# KiCad board pcb.kicad_pcb
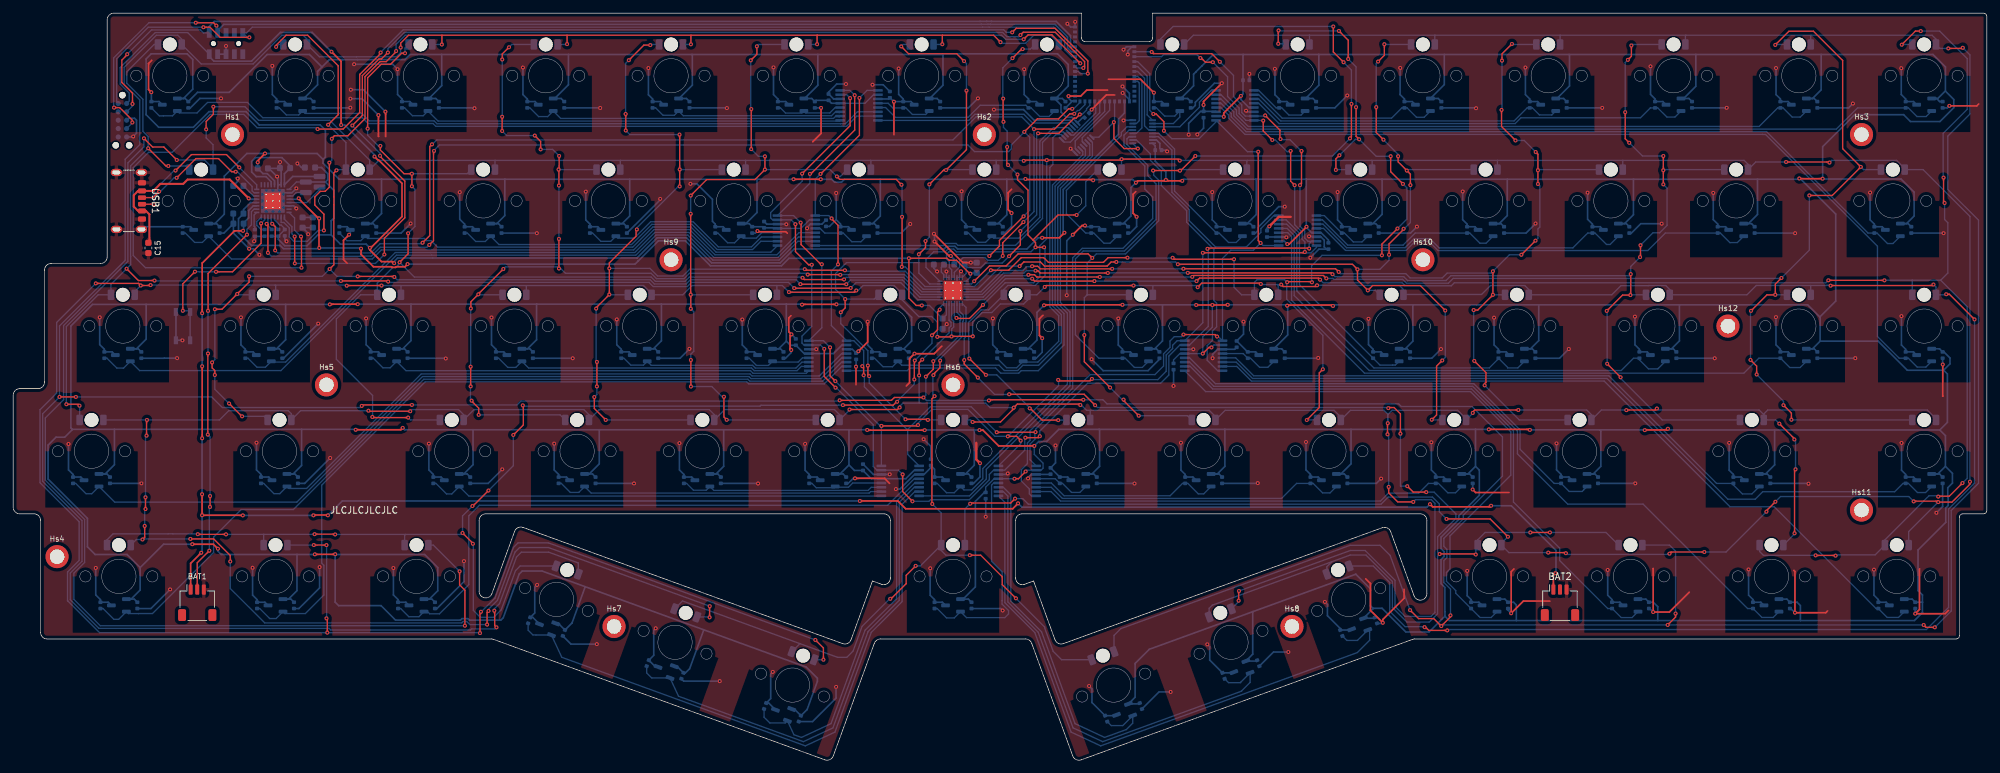
[diagram p0: board, top side]
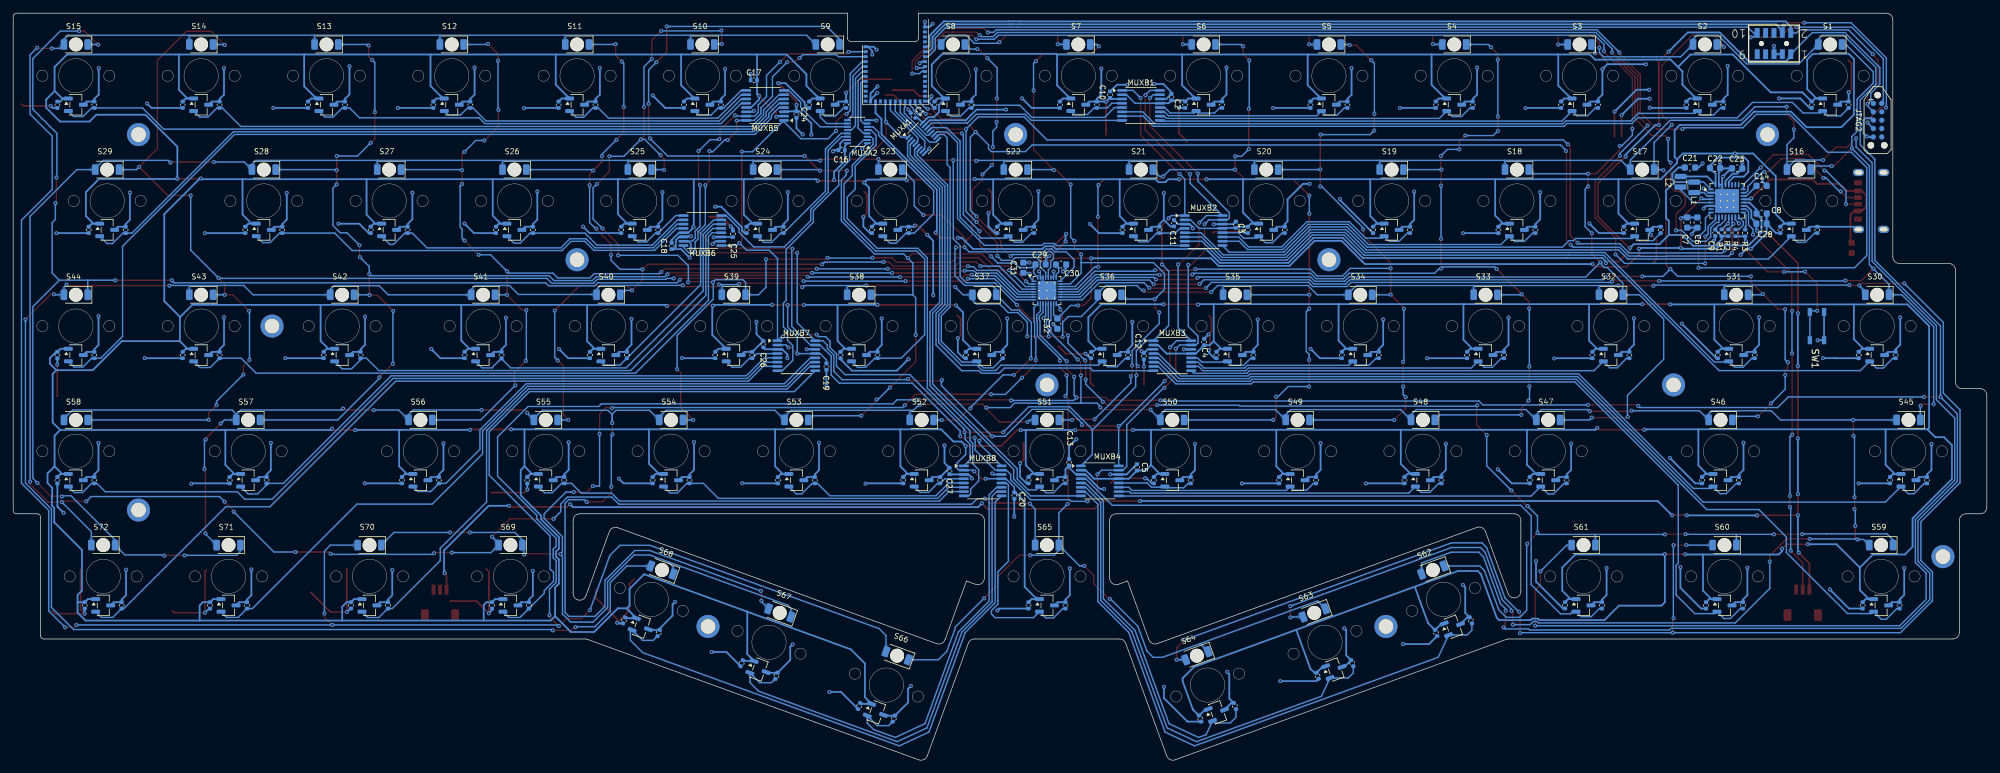
[diagram p1: board, bottom side, seen from below]

Outline 299.25 x 113.35 mm; copper layers: Top, Bottom. Coordinates in mm from the lower left corner of the outline.
Outline path: 0,55.35 arc(0.29,56.05) 1,56.35 3.75,56.35 arc(4.46,56.64) 4.75,57.35 4.75,74.35 arc(5.04,75.05) 5.75,75.35 13.25,75.35 arc(13.96,75.64) 14.25,76.35 14.25,112.35 arc(14.54,113.05) 15.25,113.35 162,113.35 162,109.55 arc(162.15,109.19) 162.5,109.05 172.25,109.05 arc(172.6,109.19) 172.75,109.55 172.75,113.35 298.75,113.35 arc(299.1,113.2) 299.25,112.85 299.25,37.85 arc(299.1,37.49) 298.75,37.35 295.6,37.35 arc(295.25,37.2) 295.1,36.85 295.1,18.85 arc(294.95,18.49) 294.6,18.35 212.51,18.35 arc(212.34,18.33) 212.17,18.29 161.93,0 arc(161.17,0.03) 160.65,0.6 154.43,17.69 arc(154.07,18.16) 153.49,18.35 131.51,18.35 arc(130.93,18.16) 130.57,17.69 124.35,0.6 arc(123.83,0.03) 123.07,0 72.83,18.29 arc(72.66,18.33) 72.49,18.35 5.15,18.35 arc(4.44,18.64) 4.15,19.35 4.15,36.35 arc(3.86,37.05) 3.15,37.35 1,37.35 arc(0.29,37.64) 0,38.35 0,55.35 ; 70.65,36.35 70.65,25.58 arc(71.48,24.59) 72.59,25.24 76.03,34.68 arc(76.54,35.24) 77.31,35.28 125.76,17.64 arc(126.53,17.67) 127.04,18.24 130.29,27.15 131.66,26.65 arc(132.57,26.77) 133,27.59 133,36.35 arc(132.71,37.05) 132,37.35 71.65,37.35 arc(70.94,37.05) 70.65,36.35 ; 152,36.35 arc(152.29,37.05) 153,37.35 213.35,37.35 arc(214.06,37.05) 214.35,36.35 214.35,25.24 arc(213.52,24.25) 212.41,24.89 208.86,34.64 arc(208.35,35.2) 207.58,35.24 159.24,17.64 arc(158.47,17.68) 157.96,18.24 154.71,27.15 153.34,26.65 arc(152.43,26.77) 152,27.59 152,36.35
Stack: Top 0.035mm / dielectric 1.51mm FR4 er 4.5 / Bottom 0.035mm

## Placement (name value [footprint] x y rotation side)
BAT1  ~  [JST_SH_SM03B-SRSS-TB_1x03-1MP_P1.00mm_Horizontal]  27.91 23.85 0 top
BAT2  ~  [JST_SH_SM03B-SRSS-TB_1x03-1MP_P1.00mm_Horizontal]  234.53 23.85 0 top
C1  .1uF  [C_0402_1005Metric]  162.79 97.83 225 bottom
C2  .1uF  [C_0402_1005Metric]  123.63 100.6 270 bottom
C3  .1uF  [C_0402_1005Metric]  113.86 81.24 270 bottom
C4  .1uF  [C_0402_1005Metric]  118.67 63.42 270 bottom
C5  .1uF  [C_0402_1005Metric]  128.85 44.41 270 bottom
C6  10uF  [C_0603_1608Metric]  43.88 81.56 270 bottom
C7  10uF  [C_0603_1608Metric]  45.43 81.57 270 bottom
C8  10uF  [C_0603_1608Metric]  34.14 82.93 180 bottom
C9  0.1uF  [C_0402_1005Metric]  41.18 80.02 90 bottom
C10  .1uF  [C_0402_1005Metric]  132.93 100.98 270 bottom
C11  .1uF  [C_0402_1005Metric]  123.24 81.46 270 bottom
C12  .1uF  [C_0402_1005Metric]  127.81 61.27 270 bottom
C13  .1uF  [C_0402_1005Metric]  139.14 45.16 270 bottom
C14  1uF  [C_0603_1608Metric]  34.14 87.14 180 bottom
C15  1uF  [C_0603_1608Metric]  20.5 77.71 270 top
C16  .1uF  [C_0402_1005Metric]  173.64 92.56 180 bottom
C17  .1uF  [C_0402_1005Metric]  186.95 103.17 180 bottom
C18  .1uF  [C_0402_1005Metric]  199.42 78.01 90 bottom
C19  .1uF  [C_0402_1005Metric]  175.94 59.71 90 bottom
C20  .1uF  [C_0402_1005Metric]  147.45 40.12 90 bottom
C21  10uF  [C_0603_1608Metric]  45.01 89.92 180 bottom
C22  10uF  [C_0603_1608Metric]  41.22 89.84 180 bottom
C23  2.2uF  [C_0603_1608Metric]  37.84 89.79 0 bottom
C24  .1uF  [C_0402_1005Metric]  180.49 97.96 270 bottom
C25  .1uF  [C_0402_1005Metric]  190.11 79.85 270 bottom
C26  .1uF  [C_0402_1005Metric]  185.51 63.11 270 bottom
C27  .1uF  [C_0402_1005Metric]  157.29 43.85 270 bottom
C28  2.2uF  [C_0603_1608Metric]  34.16 81.4 180 bottom
C29  1nF  [C_0603_1608Metric]  143.47 75.22 180 bottom
C30  1uF  [C_0603_1608Metric]  140.37 75.19 0 bottom
C31  1uF  [C_0603_1608Metric]  146.09 74.7 90 bottom
C32  1uF  [C_0603_1608Metric]  140.92 66.21 270 bottom
Cvcc1  0.1uF  [C_0402_1005Metric]  26.55 99.45 270 bottom
Cvcc2  0.1uF  [C_0402_1005Metric]  45.55 99.45 270 bottom
Cvcc3  0.1uF  [C_0402_1005Metric]  64.55 99.45 270 bottom
Cvcc4  0.1uF  [C_0402_1005Metric]  83.55 99.45 270 bottom
Cvcc5  0.1uF  [C_0402_1005Metric]  102.55 99.45 270 bottom
Cvcc6  0.1uF  [C_0402_1005Metric]  121.55 99.45 270 bottom
Cvcc7  0.1uF  [C_0402_1005Metric]  140.55 99.45 270 bottom
Cvcc8  0.1uF  [C_0402_1005Metric]  159.55 99.45 270 bottom
Cvcc9  0.1uF  [C_0402_1005Metric]  178.55 99.45 270 bottom
Cvcc10  0.1uF  [C_0402_1005Metric]  197.55 99.45 270 bottom
Cvcc11  0.1uF  [C_0402_1005Metric]  216.55 99.45 270 bottom
Cvcc12  0.1uF  [C_0402_1005Metric]  235.55 99.45 270 bottom
Cvcc13  0.1uF  [C_0402_1005Metric]  254.55 99.45 270 bottom
Cvcc14  0.1uF  [C_0402_1005Metric]  273.55 99.45 270 bottom
Cvcc15  0.1uF  [C_0402_1005Metric]  292.55 99.45 270 bottom
Cvcc16  0.1uF  [C_0402_1005Metric]  31.3 80.45 270 bottom
Cvcc17  0.1uF  [C_0402_1005Metric]  55.05 80.45 270 bottom
Cvcc18  0.1uF  [C_0402_1005Metric]  74.05 80.45 270 bottom
Cvcc19  0.1uF  [C_0402_1005Metric]  93.05 80.45 270 bottom
Cvcc20  0.1uF  [C_0402_1005Metric]  112.05 80.45 270 bottom
Cvcc21  0.1uF  [C_0402_1005Metric]  131.05 80.45 270 bottom
Cvcc22  0.1uF  [C_0402_1005Metric]  150.05 80.45 270 bottom
Cvcc23  0.1uF  [C_0402_1005Metric]  169.05 80.45 270 bottom
Cvcc24  0.1uF  [C_0402_1005Metric]  188.05 80.45 270 bottom
Cvcc25  0.1uF  [C_0402_1005Metric]  207.05 80.45 270 bottom
Cvcc26  0.1uF  [C_0402_1005Metric]  226.05 80.45 270 bottom
Cvcc27  0.1uF  [C_0402_1005Metric]  245.05 80.45 270 bottom
Cvcc28  0.1uF  [C_0402_1005Metric]  264.05 80.45 270 bottom
Cvcc29  0.1uF  [C_0402_1005Metric]  287.8 80.45 270 bottom
Cvcc30  0.1uF  [C_0402_1005Metric]  19.43 61.45 270 bottom
Cvcc31  0.1uF  [C_0402_1005Metric]  40.8 61.45 270 bottom
Cvcc32  0.1uF  [C_0402_1005Metric]  59.8 61.45 270 bottom
Cvcc33  0.1uF  [C_0402_1005Metric]  78.8 61.45 270 bottom
Cvcc34  0.1uF  [C_0402_1005Metric]  97.8 61.45 270 bottom
Cvcc35  0.1uF  [C_0402_1005Metric]  116.8 61.45 270 bottom
Cvcc36  0.1uF  [C_0402_1005Metric]  135.8 61.45 270 bottom
Cvcc37  0.1uF  [C_0402_1005Metric]  154.8 61.45 270 bottom
Cvcc38  0.1uF  [C_0402_1005Metric]  173.8 61.45 270 bottom
Cvcc39  0.1uF  [C_0402_1005Metric]  192.8 61.45 270 bottom
Cvcc40  0.1uF  [C_0402_1005Metric]  211.8 61.45 270 bottom
Cvcc41  0.1uF  [C_0402_1005Metric]  230.8 61.45 270 bottom
Cvcc42  0.1uF  [C_0402_1005Metric]  252.18 61.45 270 bottom
Cvcc43  0.1uF  [C_0402_1005Metric]  273.55 61.45 270 bottom
Cvcc44  0.1uF  [C_0402_1005Metric]  292.55 61.45 270 bottom
Cvcc45  0.1uF  [C_0402_1005Metric]  14.68 42.45 270 bottom
Cvcc46  0.1uF  [C_0402_1005Metric]  43.17 42.45 270 bottom
Cvcc47  0.1uF  [C_0402_1005Metric]  69.3 42.45 270 bottom
Cvcc48  0.1uF  [C_0402_1005Metric]  88.3 42.45 270 bottom
Cvcc49  0.1uF  [C_0402_1005Metric]  107.3 42.45 270 bottom
Cvcc50  0.1uF  [C_0402_1005Metric]  126.3 42.45 270 bottom
Cvcc51  0.1uF  [C_0402_1005Metric]  145.3 42.45 270 bottom
Cvcc52  0.1uF  [C_0402_1005Metric]  164.3 42.45 270 bottom
Cvcc53  0.1uF  [C_0402_1005Metric]  183.3 42.45 270 bottom
Cvcc54  0.1uF  [C_0402_1005Metric]  202.3 42.45 270 bottom
Cvcc55  0.1uF  [C_0402_1005Metric]  221.3 42.45 270 bottom
Cvcc56  0.1uF  [C_0402_1005Metric]  240.3 42.45 270 bottom
Cvcc57  0.1uF  [C_0402_1005Metric]  266.43 42.45 270 bottom
Cvcc58  0.1uF  [C_0402_1005Metric]  292.55 42.45 270 bottom
Cvcc59  0.1uF  [C_0402_1005Metric]  18.82 23.45 270 bottom
Cvcc60  0.1uF  [C_0402_1005Metric]  42.58 23.45 270 bottom
Cvcc61  0.1uF  [C_0402_1005Metric]  63.95 23.45 270 bottom
Cvcc62  0.1uF  [C_0402_1005Metric]  83.5 19.25 250 bottom
Cvcc63  0.1uF  [C_0402_1005Metric]  101.48 12.75 250 bottom
Cvcc64  0.1uF  [C_0402_1005Metric]  119.28 6.25 250 bottom
Cvcc65  0.1uF  [C_0402_1005Metric]  145.3 23.45 270 bottom
Cvcc66  0.1uF  [C_0402_1005Metric]  170.99 8.17 290 bottom
Cvcc67  0.1uF  [C_0402_1005Metric]  188.79 14.67 290 bottom
Cvcc68  0.1uF  [C_0402_1005Metric]  206.64 21.17 290 bottom
Cvcc69  0.1uF  [C_0402_1005Metric]  226.65 23.45 270 bottom
Cvcc70  0.1uF  [C_0402_1005Metric]  248.03 23.45 270 bottom
Cvcc71  0.1uF  [C_0402_1005Metric]  269.4 23.45 270 bottom
Cvcc72  0.1uF  [C_0402_1005Metric]  288.4 23.45 270 bottom
Cvout1  0.1nF  [C_0402_1005Metric]  20.95 99.45 90 bottom
Cvout2  0.1nF  [C_0402_1005Metric]  39.95 99.45 90 bottom
Cvout3  0.1nF  [C_0402_1005Metric]  58.95 99.45 90 bottom
Cvout4  0.1nF  [C_0402_1005Metric]  77.95 99.45 90 bottom
Cvout5  0.1nF  [C_0402_1005Metric]  96.95 99.45 90 bottom
Cvout6  0.1nF  [C_0402_1005Metric]  115.95 99.45 90 bottom
Cvout7  0.1nF  [C_0402_1005Metric]  134.95 99.45 90 bottom
Cvout8  0.1nF  [C_0402_1005Metric]  153.95 99.45 90 bottom
Cvout9  0.1nF  [C_0402_1005Metric]  172.95 99.45 90 bottom
Cvout10  0.1nF  [C_0402_1005Metric]  191.95 99.45 90 bottom
Cvout11  0.1nF  [C_0402_1005Metric]  210.95 99.45 90 bottom
Cvout12  0.1nF  [C_0402_1005Metric]  229.95 99.45 90 bottom
Cvout13  0.1nF  [C_0402_1005Metric]  248.95 99.45 90 bottom
Cvout14  0.1nF  [C_0402_1005Metric]  267.95 99.45 90 bottom
Cvout15  0.1nF  [C_0402_1005Metric]  286.95 99.45 90 bottom
Cvout16  0.1nF  [C_0402_1005Metric]  25.7 80.45 90 bottom
Cvout17  0.1nF  [C_0402_1005Metric]  49.45 80.45 90 bottom
Cvout18  0.1nF  [C_0402_1005Metric]  68.45 80.45 90 bottom
Cvout19  0.1nF  [C_0402_1005Metric]  87.45 80.45 90 bottom
Cvout20  0.1nF  [C_0402_1005Metric]  106.45 80.45 90 bottom
Cvout21  0.1nF  [C_0402_1005Metric]  125.45 80.45 90 bottom
Cvout22  0.1nF  [C_0402_1005Metric]  144.45 80.45 90 bottom
Cvout23  0.1nF  [C_0402_1005Metric]  163.45 80.45 90 bottom
Cvout24  0.1nF  [C_0402_1005Metric]  182.45 80.45 90 bottom
Cvout25  0.1nF  [C_0402_1005Metric]  201.45 80.45 90 bottom
Cvout26  0.1nF  [C_0402_1005Metric]  220.45 80.45 90 bottom
Cvout27  0.1nF  [C_0402_1005Metric]  239.45 80.45 90 bottom
Cvout28  0.1nF  [C_0402_1005Metric]  258.45 80.45 90 bottom
Cvout29  0.1nF  [C_0402_1005Metric]  282.2 80.45 90 bottom
Cvout30  0.1nF  [C_0402_1005Metric]  13.82 61.45 90 bottom
Cvout31  0.1nF  [C_0402_1005Metric]  35.2 61.45 90 bottom
Cvout32  0.1nF  [C_0402_1005Metric]  54.2 61.45 90 bottom
Cvout33  0.1nF  [C_0402_1005Metric]  73.2 61.45 90 bottom
Cvout34  0.1nF  [C_0402_1005Metric]  92.2 61.45 90 bottom
Cvout35  0.1nF  [C_0402_1005Metric]  111.2 61.45 90 bottom
Cvout36  0.1nF  [C_0402_1005Metric]  130.2 61.45 90 bottom
Cvout37  0.1nF  [C_0402_1005Metric]  149.2 61.45 90 bottom
Cvout38  0.1nF  [C_0402_1005Metric]  168.2 61.45 90 bottom
Cvout39  0.1nF  [C_0402_1005Metric]  187.2 61.45 90 bottom
Cvout40  0.1nF  [C_0402_1005Metric]  206.2 61.45 90 bottom
Cvout41  0.1nF  [C_0402_1005Metric]  225.2 61.45 90 bottom
Cvout42  0.1nF  [C_0402_1005Metric]  246.57 61.45 90 bottom
Cvout43  0.1nF  [C_0402_1005Metric]  267.95 61.45 90 bottom
Cvout44  0.1nF  [C_0402_1005Metric]  286.95 61.45 90 bottom
Cvout45  0.1nF  [C_0402_1005Metric]  9.07 42.45 90 bottom
Cvout46  0.1nF  [C_0402_1005Metric]  37.58 42.45 90 bottom
Cvout47  0.1nF  [C_0402_1005Metric]  63.7 42.45 90 bottom
Cvout48  0.1nF  [C_0402_1005Metric]  82.7 42.45 90 bottom
Cvout49  0.1nF  [C_0402_1005Metric]  101.7 42.45 90 bottom
Cvout50  0.1nF  [C_0402_1005Metric]  120.7 42.45 90 bottom
Cvout51  0.1nF  [C_0402_1005Metric]  139.7 42.45 90 bottom
Cvout52  0.1nF  [C_0402_1005Metric]  158.7 42.45 90 bottom
Cvout53  0.1nF  [C_0402_1005Metric]  177.7 42.45 90 bottom
Cvout54  0.1nF  [C_0402_1005Metric]  196.7 42.45 90 bottom
Cvout55  0.1nF  [C_0402_1005Metric]  215.7 42.45 90 bottom
Cvout56  0.1nF  [C_0402_1005Metric]  234.7 42.45 90 bottom
Cvout57  0.1nF  [C_0402_1005Metric]  260.82 42.45 90 bottom
Cvout58  0.1nF  [C_0402_1005Metric]  286.95 42.45 90 bottom
Cvout59  0.1nF  [C_0402_1005Metric]  13.22 23.45 90 bottom
Cvout60  0.1nF  [C_0402_1005Metric]  36.98 23.45 90 bottom
Cvout61  0.1nF  [C_0402_1005Metric]  58.35 23.45 90 bottom
Cvout62  0.1nF  [C_0402_1005Metric]  78.24 21.17 70 bottom
Cvout63  0.1nF  [C_0402_1005Metric]  96.21 14.67 70 bottom
Cvout64  0.1nF  [C_0402_1005Metric]  114.01 8.17 70 bottom
Cvout65  0.1nF  [C_0402_1005Metric]  139.7 23.45 90 bottom
Cvout66  0.1nF  [C_0402_1005Metric]  165.72 6.25 110 bottom
Cvout67  0.1nF  [C_0402_1005Metric]  183.52 12.75 110 bottom
Cvout68  0.1nF  [C_0402_1005Metric]  201.37 19.25 110 bottom
Cvout69  0.1nF  [C_0402_1005Metric]  221.05 23.45 90 bottom
Cvout70  0.1nF  [C_0402_1005Metric]  242.43 23.45 90 bottom
Cvout71  0.1nF  [C_0402_1005Metric]  263.8 23.45 90 bottom
Cvout72  0.1nF  [C_0402_1005Metric]  282.8 23.45 90 bottom
D1  Green LED  [LED_1206_3216Metric_ReverseMount_Hole2.1mm]  23.75 108.6 0 bottom
D2  Green LED  [LED_1206_3216Metric_ReverseMount_Hole2.1mm]  42.75 108.6 0 bottom
D3  Green LED  [LED_1206_3216Metric_ReverseMount_Hole2.1mm]  61.75 108.6 0 bottom
D4  Green LED  [LED_1206_3216Metric_ReverseMount_Hole2.1mm]  80.75 108.6 0 bottom
D5  Green LED  [LED_1206_3216Metric_ReverseMount_Hole2.1mm]  99.75 108.6 0 bottom
D6  Green LED  [LED_1206_3216Metric_ReverseMount_Hole2.1mm]  118.75 108.6 0 bottom
D7  Green LED  [LED_1206_3216Metric_ReverseMount_Hole2.1mm]  137.75 108.6 0 bottom
D8  Green LED  [LED_1206_3216Metric_ReverseMount_Hole2.1mm]  156.75 108.6 0 bottom
D9  Green LED  [LED_1206_3216Metric_ReverseMount_Hole2.1mm]  175.75 108.6 0 bottom
D10  Green LED  [LED_1206_3216Metric_ReverseMount_Hole2.1mm]  194.75 108.6 0 bottom
D11  Green LED  [LED_1206_3216Metric_ReverseMount_Hole2.1mm]  213.75 108.6 0 bottom
D12  Green LED  [LED_1206_3216Metric_ReverseMount_Hole2.1mm]  232.75 108.6 0 bottom
D13  Green LED  [LED_1206_3216Metric_ReverseMount_Hole2.1mm]  251.75 108.6 0 bottom
D14  Green LED  [LED_1206_3216Metric_ReverseMount_Hole2.1mm]  270.75 108.6 0 bottom
D15  Green LED  [LED_1206_3216Metric_ReverseMount_Hole2.1mm]  289.75 108.6 0 bottom
D16  Green LED  [LED_1206_3216Metric_ReverseMount_Hole2.1mm]  28.5 89.6 0 bottom
D17  Green LED  [LED_1206_3216Metric_ReverseMount_Hole2.1mm]  52.25 89.6 0 bottom
D18  Green LED  [LED_1206_3216Metric_ReverseMount_Hole2.1mm]  71.25 89.6 0 bottom
D19  Green LED  [LED_1206_3216Metric_ReverseMount_Hole2.1mm]  90.25 89.6 0 bottom
D20  Green LED  [LED_1206_3216Metric_ReverseMount_Hole2.1mm]  109.25 89.6 0 bottom
D21  Green LED  [LED_1206_3216Metric_ReverseMount_Hole2.1mm]  128.25 89.6 0 bottom
D22  Green LED  [LED_1206_3216Metric_ReverseMount_Hole2.1mm]  147.25 89.6 0 bottom
D23  Green LED  [LED_1206_3216Metric_ReverseMount_Hole2.1mm]  166.25 89.6 0 bottom
D24  Green LED  [LED_1206_3216Metric_ReverseMount_Hole2.1mm]  185.25 89.6 0 bottom
D25  Green LED  [LED_1206_3216Metric_ReverseMount_Hole2.1mm]  204.25 89.6 0 bottom
D26  Green LED  [LED_1206_3216Metric_ReverseMount_Hole2.1mm]  223.25 89.6 0 bottom
D27  Green LED  [LED_1206_3216Metric_ReverseMount_Hole2.1mm]  242.25 89.6 0 bottom
D28  Green LED  [LED_1206_3216Metric_ReverseMount_Hole2.1mm]  261.25 89.6 0 bottom
D29  Green LED  [LED_1206_3216Metric_ReverseMount_Hole2.1mm]  285 89.6 0 bottom
D30  Green LED  [LED_1206_3216Metric_ReverseMount_Hole2.1mm]  16.62 70.6 0 bottom
D31  Green LED  [LED_1206_3216Metric_ReverseMount_Hole2.1mm]  38 70.6 0 bottom
D32  Green LED  [LED_1206_3216Metric_ReverseMount_Hole2.1mm]  57 70.6 0 bottom
D33  Green LED  [LED_1206_3216Metric_ReverseMount_Hole2.1mm]  76 70.6 0 bottom
D34  Green LED  [LED_1206_3216Metric_ReverseMount_Hole2.1mm]  95 70.6 0 bottom
D35  Green LED  [LED_1206_3216Metric_ReverseMount_Hole2.1mm]  114 70.6 0 bottom
D36  Green LED  [LED_1206_3216Metric_ReverseMount_Hole2.1mm]  133 70.6 0 bottom
D37  Green LED  [LED_1206_3216Metric_ReverseMount_Hole2.1mm]  152 70.6 0 bottom
D38  Green LED  [LED_1206_3216Metric_ReverseMount_Hole2.1mm]  171 70.6 0 bottom
D39  Green LED  [LED_1206_3216Metric_ReverseMount_Hole2.1mm]  190 70.6 0 bottom
D40  Green LED  [LED_1206_3216Metric_ReverseMount_Hole2.1mm]  209 70.6 0 bottom
D41  Green LED  [LED_1206_3216Metric_ReverseMount_Hole2.1mm]  228 70.6 0 bottom
D42  Green LED  [LED_1206_3216Metric_ReverseMount_Hole2.1mm]  249.38 70.6 0 bottom
D43  Green LED  [LED_1206_3216Metric_ReverseMount_Hole2.1mm]  270.75 70.6 0 bottom
D44  Green LED  [LED_1206_3216Metric_ReverseMount_Hole2.1mm]  289.75 70.6 0 bottom
D45  Green LED  [LED_1206_3216Metric_ReverseMount_Hole2.1mm]  11.88 51.6 0 bottom
D46  Green LED  [LED_1206_3216Metric_ReverseMount_Hole2.1mm]  40.38 51.6 0 bottom
D47  Green LED  [LED_1206_3216Metric_ReverseMount_Hole2.1mm]  66.5 51.6 0 bottom
D48  Green LED  [LED_1206_3216Metric_ReverseMount_Hole2.1mm]  85.5 51.6 0 bottom
D49  Green LED  [LED_1206_3216Metric_ReverseMount_Hole2.1mm]  104.5 51.6 0 bottom
D50  Green LED  [LED_1206_3216Metric_ReverseMount_Hole2.1mm]  123.5 51.6 0 bottom
D51  Green LED  [LED_1206_3216Metric_ReverseMount_Hole2.1mm]  142.5 51.6 0 bottom
D52  Green LED  [LED_1206_3216Metric_ReverseMount_Hole2.1mm]  161.5 51.6 0 bottom
D53  Green LED  [LED_1206_3216Metric_ReverseMount_Hole2.1mm]  180.5 51.6 0 bottom
D54  Green LED  [LED_1206_3216Metric_ReverseMount_Hole2.1mm]  199.5 51.6 0 bottom
D55  Green LED  [LED_1206_3216Metric_ReverseMount_Hole2.1mm]  218.5 51.6 0 bottom
D56  Green LED  [LED_1206_3216Metric_ReverseMount_Hole2.1mm]  237.5 51.6 0 bottom
D57  Green LED  [LED_1206_3216Metric_ReverseMount_Hole2.1mm]  263.62 51.6 0 bottom
D58  Green LED  [LED_1206_3216Metric_ReverseMount_Hole2.1mm]  289.75 51.6 0 bottom
D59  Green LED  [LED_1206_3216Metric_ReverseMount_Hole2.1mm]  16.02 32.6 0 bottom
D60  Green LED  [LED_1206_3216Metric_ReverseMount_Hole2.1mm]  39.77 32.6 0 bottom
D61  Green LED  [LED_1206_3216Metric_ReverseMount_Hole2.1mm]  61.15 32.6 0 bottom
D62  Green LED  [LED_1206_3216Metric_ReverseMount_Hole2.1mm]  84 28.81 340 bottom
D63  Green LED  [LED_1206_3216Metric_ReverseMount_Hole2.1mm]  101.97 22.31 340 bottom
D64  Green LED  [LED_1206_3216Metric_ReverseMount_Hole2.1mm]  119.77 15.81 340 bottom
D65  Green LED  [LED_1206_3216Metric_ReverseMount_Hole2.1mm]  142.5 32.6 0 bottom
D66  Green LED  [LED_1206_3216Metric_ReverseMount_Hole2.1mm]  165.23 15.81 20 bottom
D67  Green LED  [LED_1206_3216Metric_ReverseMount_Hole2.1mm]  183.03 22.31 20 bottom
D68  Green LED  [LED_1206_3216Metric_ReverseMount_Hole2.1mm]  200.88 28.81 20 bottom
D69  Green LED  [LED_1206_3216Metric_ReverseMount_Hole2.1mm]  223.85 32.6 0 bottom
D70  Green LED  [LED_1206_3216Metric_ReverseMount_Hole2.1mm]  245.22 32.6 0 bottom
D71  Green LED  [LED_1206_3216Metric_ReverseMount_Hole2.1mm]  266.6 32.6 0 bottom
D72  Green LED  [LED_1206_3216Metric_ReverseMount_Hole2.1mm]  285.6 32.6 0 bottom
Hs1  M2_Pad  [MountingHole_2.2mm_M2_ISO7380_Pad_TopBottom]  33.25 94.92 0 top
Hs2  M2_Pad  [MountingHole_2.2mm_M2_ISO7380_Pad_TopBottom]  147.25 94.92 0 top
Hs3  M2_Pad  [MountingHole_2.2mm_M2_ISO7380_Pad_TopBottom]  280.25 94.92 0 top
Hs4  M2_Pad  [MountingHole_2.2mm_M2_ISO7380_Pad_TopBottom]  6.65 30.85 0 top
Hs5  M2_Pad  [MountingHole_2.2mm_M2_ISO7380_Pad_TopBottom]  47.5 56.92 0 top
Hs6  M2_Pad  [MountingHole_2.2mm_M2_ISO7380_Pad_TopBottom]  142.5 56.92 0 top
Hs7  M2_Pad  [MountingHole_2.2mm_M2_ISO7380_Pad_TopBottom]  91.11 20.25 0 top
Hs8  M2_Pad  [MountingHole_2.2mm_M2_ISO7380_Pad_TopBottom]  193.9 20.25 0 top
Hs9  M2_Pad  [MountingHole_2.2mm_M2_ISO7380_Pad_TopBottom]  99.75 75.92 0 top
Hs10  M2_Pad  [MountingHole_2.2mm_M2_ISO7380_Pad_TopBottom]  213.75 75.92 0 top
Hs11  M2_Pad  [MountingHole_2.2mm_M2_ISO7380_Pad_TopBottom]  280.25 37.92 0 top
Hs12  M2_Pad  [MountingHole_2.2mm_M2_ISO7380_Pad_TopBottom]  260 65.85 0 top
JLC1  -  [JLC_Order_Num]  53.32 37.8 0 top
JTAG1  Conn_02x05_Odd_Even  [SAMTEC-CLP-105-02-X-D-A]  32.27 108.74 0 bottom
JTAG2  Conn_02x05_Odd_Even  [Tag-Connect_TC2050-IDC-NL_2x05_P1.27mm_Vertical]  16.56 97.1 270 bottom
L1  2.2uH  [L_Samsung_CIGT201610EH2R2MNE]  44.36 86.92 270 bottom
L2  2.2uH  [L_Samsung_CIGT201610EH2R2MNE]  46.46 87.76 270 bottom
LEDDR1  LP5864  [VQFN-32-1EP_4x4mm_P0.4mm_EP2.8x2.8mm_ThermalVias]  142.5 71.25 180 bottom
M1  Ezurio BL54L15 (nrf54L15) module  [Ezurio_BL54L15_Module]  160.5 99.45 90 bottom
MUXA1  TMUX1574DYY  [Texas_DYY0016A_TSOT-23-16_2x4.2mm_P0.5mm]  161.25 94.35 135 bottom
MUXA2  TMUX1574DYY  [Texas_DYY0016A_TSOT-23-16_2x4.2mm_P0.5mm]  171.25 95.35 0 bottom
MUXB1  TMUX1108PW  [TSSOP-16_4.4x5mm_P0.65mm]  128.25 99.35 180 bottom
MUXB2  TMUX1108PW  [TSSOP-16_4.4x5mm_P0.65mm]  118.75 80.35 180 bottom
MUXB3  TMUX1108PW  [TSSOP-16_4.4x5mm_P0.65mm]  123.5 61.35 180 bottom
MUXB4  TMUX1108PW  [TSSOP-16_4.4x5mm_P0.65mm]  134.5 42.35 180 bottom
MUXB5  TMUX1108PW  [TSSOP-16_4.4x5mm_P0.65mm]  185.25 99.35 0 bottom
MUXB6  TMUX1108PW  [TSSOP-16_4.4x5mm_P0.65mm]  194.75 80.35 0 bottom
MUXB7  TMUX1108PW  [TSSOP-16_4.4x5mm_P0.65mm]  180.5 61.35 180 bottom
MUXB8  TMUX1108PW  [TSSOP-16_4.4x5mm_P0.65mm]  152.25 42.35 180 bottom
PMIC1  nPM1300-QEXX  [QFN-32-1EP_5x5mm_P0.5mm_EP3.6x3.6mm_ThermalVias]  39.38 84.85 180 bottom
R1  10k  [R_0402_1005Metric]  39.19 80.01 90 bottom
R2  10k  [R_0402_1005Metric]  40.2 80.01 90 bottom
R3  47k  [R_0402_1005Metric]  36.64 79.98 90 bottom
R4  47k  [R_0402_1005Metric]  38.11 80 90 bottom
S1  Switch  [Gateron_Switch_Lowpro]  23.75 103.85 0 top
S2  Switch  [Gateron_Switch_Lowpro]  42.75 103.85 0 top
S3  Switch  [Gateron_Switch_Lowpro]  61.75 103.85 0 top
S4  Switch  [Gateron_Switch_Lowpro]  80.75 103.85 0 top
S5  Switch  [Gateron_Switch_Lowpro]  99.75 103.85 0 top
S6  Switch  [Gateron_Switch_Lowpro]  118.75 103.85 0 top
S7  Switch  [Gateron_Switch_Lowpro]  137.75 103.85 0 top
S8  Switch  [Gateron_Switch_Lowpro]  156.75 103.85 0 top
S9  Switch  [Gateron_Switch_Lowpro]  175.75 103.85 0 top
S10  Switch  [Gateron_Switch_Lowpro]  194.75 103.85 0 top
S11  Switch  [Gateron_Switch_Lowpro]  213.75 103.85 0 top
S12  Switch  [Gateron_Switch_Lowpro]  232.75 103.85 0 top
S13  Switch  [Gateron_Switch_Lowpro]  251.75 103.85 0 top
S14  Switch  [Gateron_Switch_Lowpro]  270.75 103.85 0 top
S15  Switch  [Gateron_Switch_Lowpro]  289.75 103.85 0 top
S16  Switch  [Gateron_Switch_Lowpro]  28.5 84.85 0 top
S17  Switch  [Gateron_Switch_Lowpro]  52.25 84.85 0 top
S18  Switch  [Gateron_Switch_Lowpro]  71.25 84.85 0 top
S19  Switch  [Gateron_Switch_Lowpro]  90.25 84.85 0 top
S20  Switch  [Gateron_Switch_Lowpro]  109.25 84.85 0 top
S21  Switch  [Gateron_Switch_Lowpro]  128.25 84.85 0 top
S22  Switch  [Gateron_Switch_Lowpro]  147.25 84.85 0 top
S23  Switch  [Gateron_Switch_Lowpro]  166.25 84.85 0 top
S24  Switch  [Gateron_Switch_Lowpro]  185.25 84.85 0 top
S25  Switch  [Gateron_Switch_Lowpro]  204.25 84.85 0 top
S26  Switch  [Gateron_Switch_Lowpro]  223.25 84.85 0 top
S27  Switch  [Gateron_Switch_Lowpro]  242.25 84.85 0 top
S28  Switch  [Gateron_Switch_Lowpro]  261.25 84.85 0 top
S29  Switch  [Gateron_Switch_Lowpro]  285 84.85 0 top
S30  Switch  [Gateron_Switch_Lowpro]  16.62 65.85 0 top
S31  Switch  [Gateron_Switch_Lowpro]  38 65.85 0 top
S32  Switch  [Gateron_Switch_Lowpro]  57 65.85 0 top
S33  Switch  [Gateron_Switch_Lowpro]  76 65.85 0 top
S34  Switch  [Gateron_Switch_Lowpro]  95 65.85 0 top
S35  Switch  [Gateron_Switch_Lowpro]  114 65.85 0 top
S36  Switch  [Gateron_Switch_Lowpro]  133 65.85 0 top
S37  Switch  [Gateron_Switch_Lowpro]  152 65.85 0 top
S38  Switch  [Gateron_Switch_Lowpro]  171 65.85 0 top
S39  Switch  [Gateron_Switch_Lowpro]  190 65.85 0 top
S40  Switch  [Gateron_Switch_Lowpro]  209 65.85 0 top
S41  Switch  [Gateron_Switch_Lowpro]  228 65.85 0 top
S42  Switch  [Gateron_Switch_Lowpro]  249.38 65.85 0 top
S43  Switch  [Gateron_Switch_Lowpro]  270.75 65.85 0 top
S44  Switch  [Gateron_Switch_Lowpro]  289.75 65.85 0 top
S45  Switch  [Gateron_Switch_Lowpro]  11.88 46.85 0 top
S46  Switch  [Gateron_Switch_Lowpro]  40.38 46.85 0 top
S47  Switch  [Gateron_Switch_Lowpro]  66.5 46.85 0 top
S48  Switch  [Gateron_Switch_Lowpro]  85.5 46.85 0 top
S49  Switch  [Gateron_Switch_Lowpro]  104.5 46.85 0 top
S50  Switch  [Gateron_Switch_Lowpro]  123.5 46.85 0 top
S51  Switch  [Gateron_Switch_Lowpro]  142.5 46.85 0 top
S52  Switch  [Gateron_Switch_Lowpro]  161.5 46.85 0 top
S53  Switch  [Gateron_Switch_Lowpro]  180.5 46.85 0 top
S54  Switch  [Gateron_Switch_Lowpro]  199.5 46.85 0 top
S55  Switch  [Gateron_Switch_Lowpro]  218.5 46.85 0 top
S56  Switch  [Gateron_Switch_Lowpro]  237.5 46.85 0 top
S57  Switch  [Gateron_Switch_Lowpro]  263.62 46.85 0 top
S58  Switch  [Gateron_Switch_Lowpro]  289.75 46.85 0 top
S59  Switch  [Gateron_Switch_Lowpro]  16.02 27.85 0 top
S60  Switch  [Gateron_Switch_Lowpro]  39.77 27.85 0 top
S61  Switch  [Gateron_Switch_Lowpro]  61.15 27.85 0 top
S62  Switch  [Gateron_Switch_Lowpro]  82.38 24.35 340 top
S63  Switch  [Gateron_Switch_Lowpro]  100.35 17.85 340 top
S64  Switch  [Gateron_Switch_Lowpro]  118.15 11.35 340 top
S65  Switch  [Gateron_Switch_Lowpro]  142.5 27.85 0 top
S66  Switch  [Gateron_Switch_Lowpro]  166.85 11.35 20 top
S67  Switch  [Gateron_Switch_Lowpro]  184.65 17.85 20 top
S68  Switch  [Gateron_Switch_Lowpro]  202.5 24.35 20 top
S69  Switch  [Gateron_Switch_Lowpro]  223.85 27.85 0 top
S70  Switch  [Gateron_Switch_Lowpro]  245.22 27.85 0 top
S71  Switch  [Gateron_Switch_Lowpro]  266.6 27.85 0 top
S72  Switch  [Gateron_Switch_Lowpro]  285.6 27.85 0 top
Stb1  TMR_switch_stab_2.0u  [Stabilizer_Lowpro_2U]  118.15 11.35 70 top
Stb2  TMR_switch_stab_2.0u  [Stabilizer_Lowpro_2U]  166.85 11.35 290 top
SW1  SW_DIP_x01  [Button_Switch_3x4x2.5]  25.75 65.85 270 bottom
TMR1  TMR2617  [SOT-23-3]  23.75 99.45 180 bottom
TMR2  TMR2617  [SOT-23-3]  42.75 99.45 180 bottom
TMR3  TMR2617  [SOT-23-3]  61.75 99.45 180 bottom
TMR4  TMR2617  [SOT-23-3]  80.75 99.45 180 bottom
TMR5  TMR2617  [SOT-23-3]  99.75 99.45 180 bottom
TMR6  TMR2617  [SOT-23-3]  118.75 99.45 180 bottom
TMR7  TMR2617  [SOT-23-3]  137.75 99.45 180 bottom
TMR8  TMR2617  [SOT-23-3]  156.75 99.45 180 bottom
TMR9  TMR2617  [SOT-23-3]  175.75 99.45 180 bottom
TMR10  TMR2617  [SOT-23-3]  194.75 99.45 180 bottom
TMR11  TMR2617  [SOT-23-3]  213.75 99.45 180 bottom
TMR12  TMR2617  [SOT-23-3]  232.75 99.45 180 bottom
TMR13  TMR2617  [SOT-23-3]  251.75 99.45 180 bottom
TMR14  TMR2617  [SOT-23-3]  270.75 99.45 180 bottom
TMR15  TMR2617  [SOT-23-3]  289.75 99.45 180 bottom
TMR16  TMR2617  [SOT-23-3]  28.5 80.45 180 bottom
TMR17  TMR2617  [SOT-23-3]  52.25 80.45 180 bottom
TMR18  TMR2617  [SOT-23-3]  71.25 80.45 180 bottom
TMR19  TMR2617  [SOT-23-3]  90.25 80.45 180 bottom
TMR20  TMR2617  [SOT-23-3]  109.25 80.45 180 bottom
TMR21  TMR2617  [SOT-23-3]  128.25 80.45 180 bottom
TMR22  TMR2617  [SOT-23-3]  147.25 80.45 180 bottom
TMR23  TMR2617  [SOT-23-3]  166.25 80.45 180 bottom
TMR24  TMR2617  [SOT-23-3]  185.25 80.45 180 bottom
TMR25  TMR2617  [SOT-23-3]  204.25 80.45 180 bottom
TMR26  TMR2617  [SOT-23-3]  223.25 80.45 180 bottom
TMR27  TMR2617  [SOT-23-3]  242.25 80.45 180 bottom
TMR28  TMR2617  [SOT-23-3]  261.25 80.45 180 bottom
TMR29  TMR2617  [SOT-23-3]  285 80.45 180 bottom
TMR30  TMR2617  [SOT-23-3]  16.62 61.45 180 bottom
TMR31  TMR2617  [SOT-23-3]  38 61.45 180 bottom
TMR32  TMR2617  [SOT-23-3]  57 61.45 180 bottom
TMR33  TMR2617  [SOT-23-3]  76 61.45 180 bottom
TMR34  TMR2617  [SOT-23-3]  95 61.45 180 bottom
TMR35  TMR2617  [SOT-23-3]  114 61.45 180 bottom
TMR36  TMR2617  [SOT-23-3]  133 61.45 180 bottom
TMR37  TMR2617  [SOT-23-3]  152 61.45 180 bottom
TMR38  TMR2617  [SOT-23-3]  171 61.45 180 bottom
TMR39  TMR2617  [SOT-23-3]  190 61.45 180 bottom
TMR40  TMR2617  [SOT-23-3]  209 61.45 180 bottom
TMR41  TMR2617  [SOT-23-3]  228 61.45 180 bottom
TMR42  TMR2617  [SOT-23-3]  249.38 61.45 180 bottom
TMR43  TMR2617  [SOT-23-3]  270.75 61.45 180 bottom
TMR44  TMR2617  [SOT-23-3]  289.75 61.45 180 bottom
TMR45  TMR2617  [SOT-23-3]  11.88 42.45 180 bottom
TMR46  TMR2617  [SOT-23-3]  40.38 42.45 180 bottom
TMR47  TMR2617  [SOT-23-3]  66.5 42.45 180 bottom
TMR48  TMR2617  [SOT-23-3]  85.5 42.45 180 bottom
TMR49  TMR2617  [SOT-23-3]  104.5 42.45 180 bottom
TMR50  TMR2617  [SOT-23-3]  123.5 42.45 180 bottom
TMR51  TMR2617  [SOT-23-3]  142.5 42.45 180 bottom
TMR52  TMR2617  [SOT-23-3]  161.5 42.45 180 bottom
TMR53  TMR2617  [SOT-23-3]  180.5 42.45 180 bottom
TMR54  TMR2617  [SOT-23-3]  199.5 42.45 180 bottom
TMR55  TMR2617  [SOT-23-3]  218.5 42.45 180 bottom
TMR56  TMR2617  [SOT-23-3]  237.5 42.45 180 bottom
TMR57  TMR2617  [SOT-23-3]  263.62 42.45 180 bottom
TMR58  TMR2617  [SOT-23-3]  289.75 42.45 180 bottom
TMR59  TMR2617  [SOT-23-3]  16.02 23.45 180 bottom
TMR60  TMR2617  [SOT-23-3]  39.77 23.45 180 bottom
TMR61  TMR2617  [SOT-23-3]  61.15 23.45 180 bottom
TMR62  TMR2617  [SOT-23-3]  80.87 20.21 160 bottom
TMR63  TMR2617  [SOT-23-3]  98.85 13.71 160 bottom
TMR64  TMR2617  [SOT-23-3]  116.65 7.21 160 bottom
TMR65  TMR2617  [SOT-23-3]  142.5 23.45 180 bottom